# Altium PCB nPOC-BB_alpha_main-boardd.PcbDoc (part 3 of 3)
Units mm, origin at the board's own origin, x right, y up, seen from the top; angles counter-clockwise.
Board outline 65.15 x 78.1 mm, 4 copper layers (Top Layer, Layer 2, Layer 3, Bottom Layer), stack 1.527 mm thick; 195 components, 126 nets, 767 pads, 537 vias.
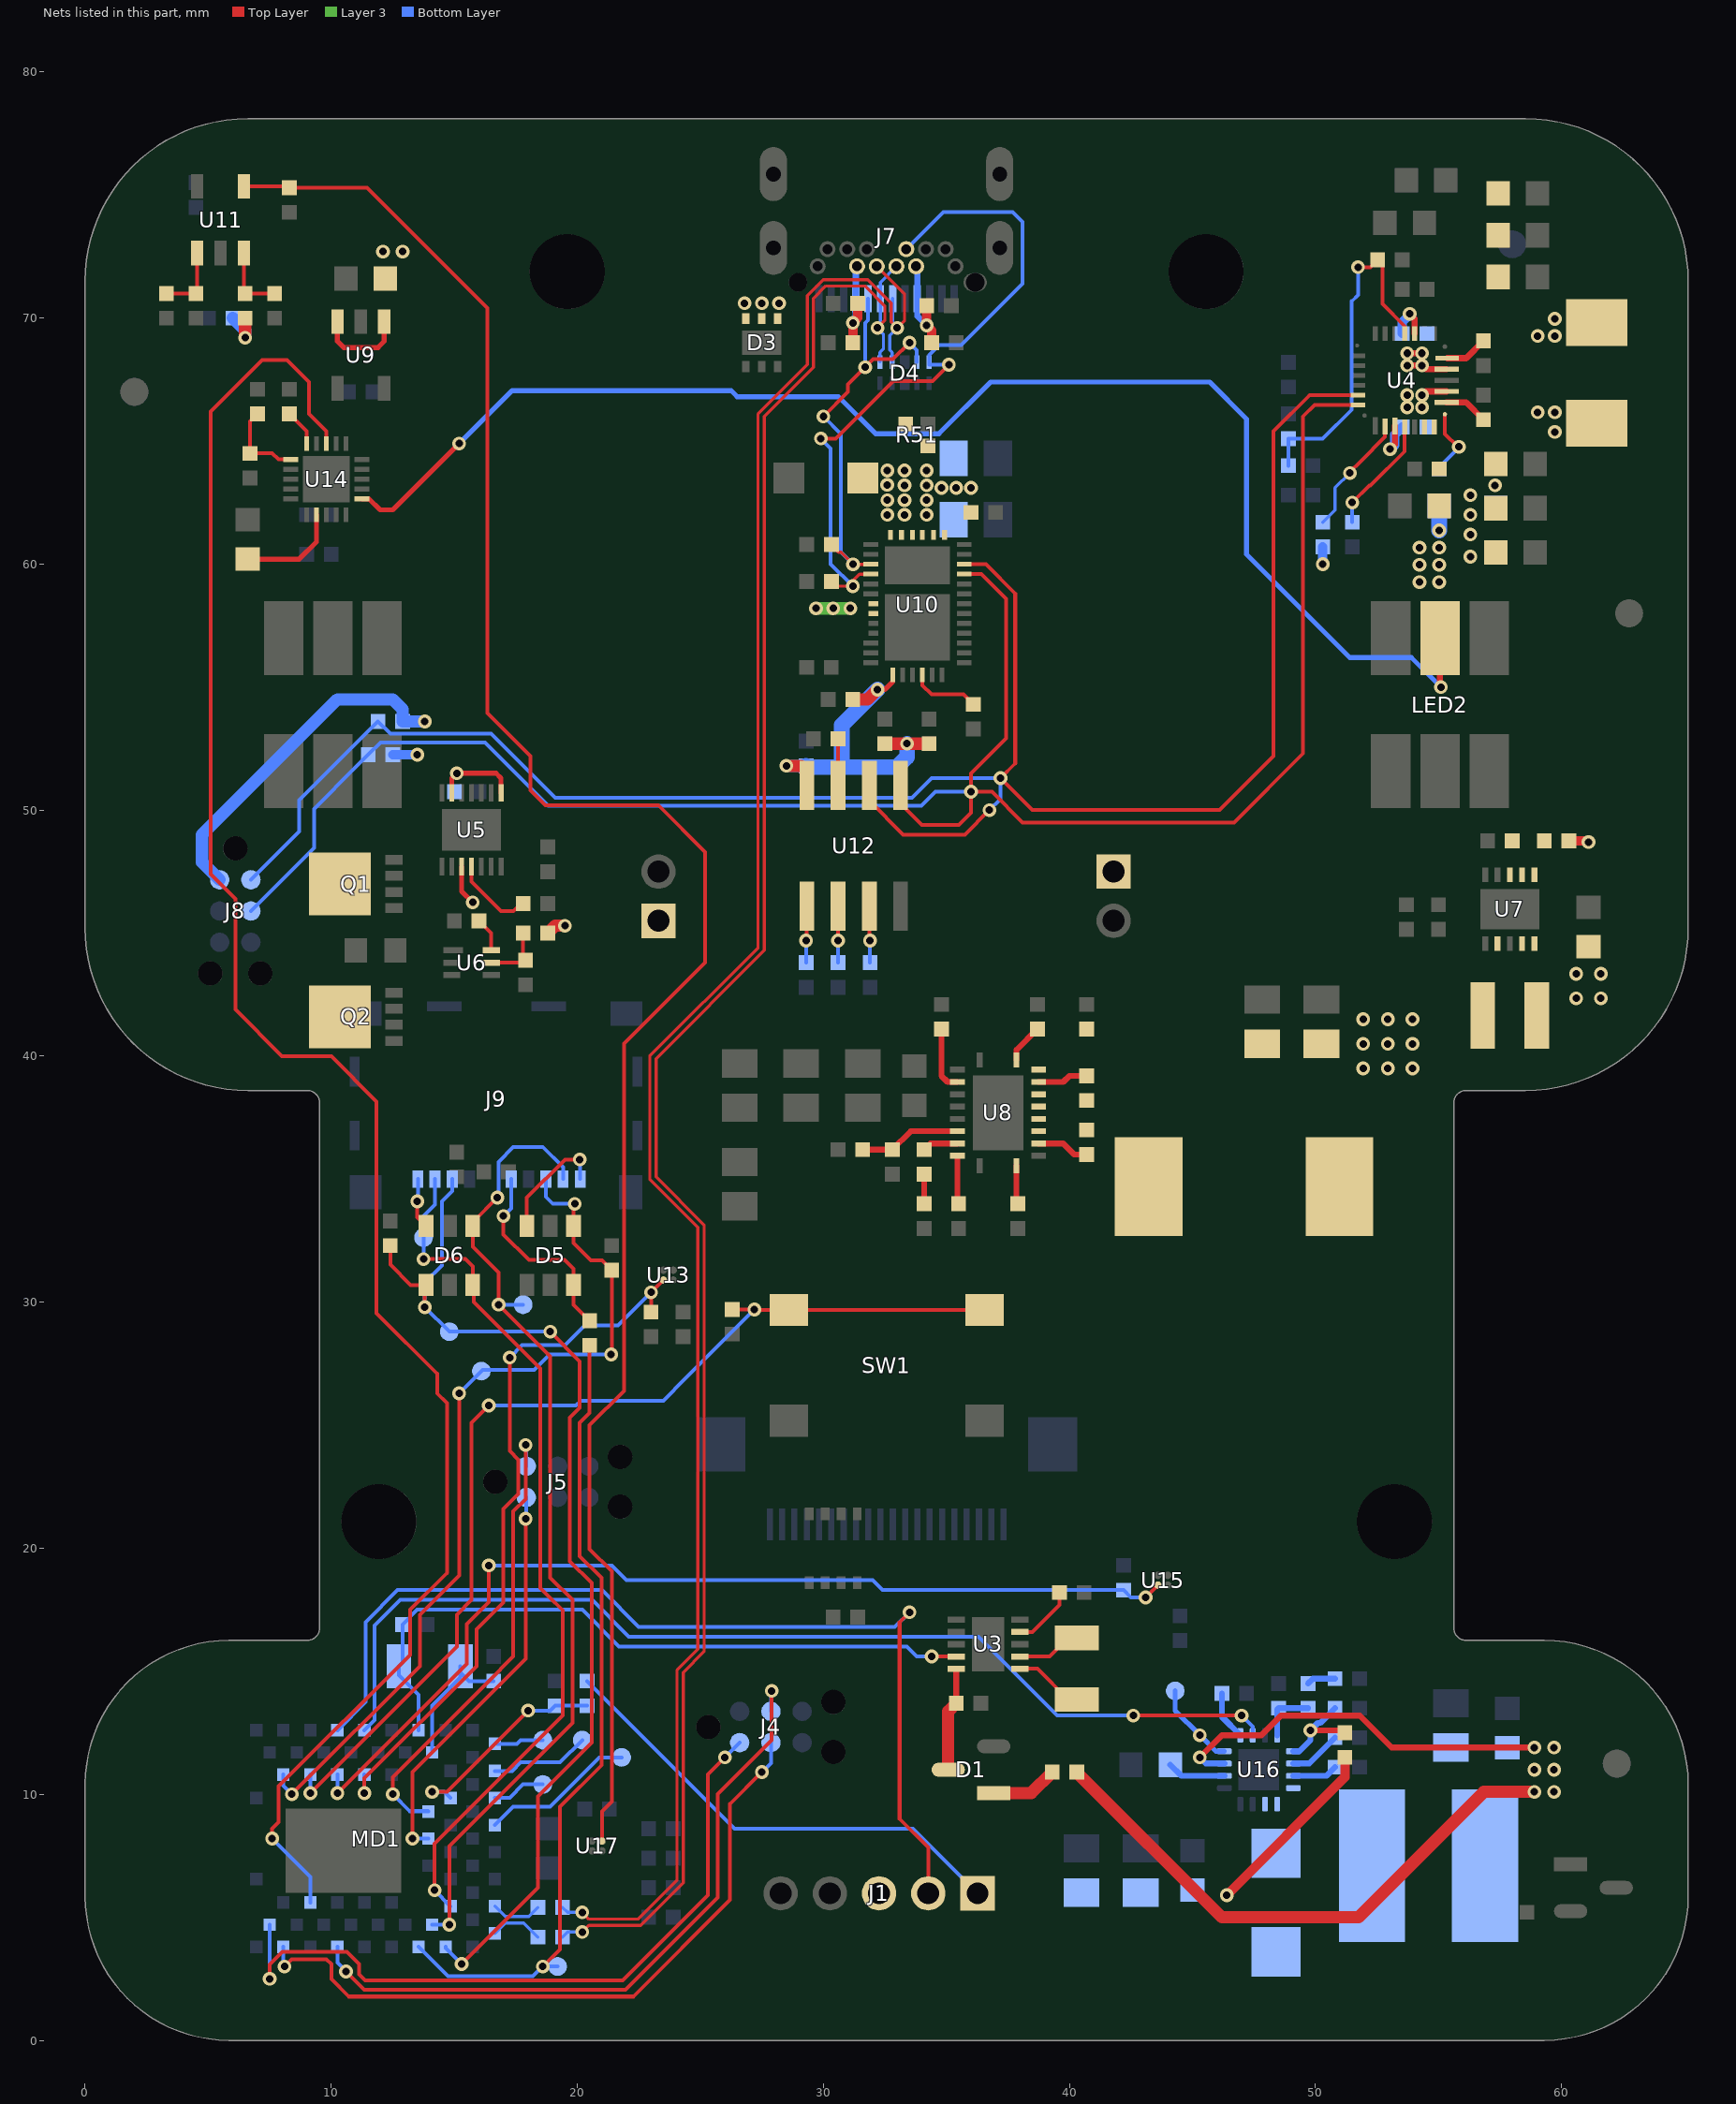
[diagram p5: the nets of this part, all layers, seen from the top]

## Via types
v1: diameter 0.559, hole 0.305, Top Layer to Bottom Layer, tented both sides, 537 vias

## Nets (pads, with @x,y where several pads share a name; then routed paths per layer and width w, separated by ;. In a path a pad name is that pad's centre, name@x,y a point inside that pad or via, vN(x,y) a via of type N, cw(c..) or ccw(c..) an arc to the next point about the centre after c; other vN are vias at no path point) (continued)
LED2_R: LED2.2 U14.6 | length 58
  Top Layer w0.2: U14.6@11.25,62.65 11.534,62.65 11.984,62.2 12.5,62.2 v1(15.2,64.9)
  Top Layer w0.25: LED2.2@55.06,56.985 55.06,55.04 v1(55.1,55)
  Bottom Layer w0.2: v1(15.2,64.9) 17.35,67.05 26.25,67.05 26.5,66.8 30.616,66.8 32.116,65.3 34.7,65.3 36.8,67.4 45.7,67.4 47.2,65.9 47.2,60.4 51.4,56.2 53.9,56.2 v1(55.1,55)
LED_DRV_EN: MD1.59 U14.13 | length 77.3
  Top Layer w0.152: v1(7.6,8.2) 7.6,8.6 7.862,8.862 7.862,10.329 13.2,15.667 13.2,17.5 14.7,19 14.7,25.9 14.3,26.3 14.3,27.1 11.843,29.557 11.843,38.157 10,40 8,40 6.1,41.9 6.1,46.4 5.1,47.4 5.1,66.2 7.2,68.3 8.2,68.3 9.1,67.4 9.1,66.164 ; 9.1,66.1 9.8,65.4 U14.13@9.8,64.9
  Bottom Layer w0.152: v1(7.6,8.2) 9.15,6.65 MD1.59@9.15,5.6
MOTOR_FG: J1.1 R2.2 | length 19.4
  Bottom Layer w0.152: R2.2@20.4,14.6 26.4,8.6 33.641,8.6 J1.1@36.266,5.975
MOTOR_FG_DIV: MD1.20 R2.1 R31.2 | length 8.6
  Top Layer w0.152: v1(14.1,10.1) 14.7,10.1 v1(18,13.4)
  Bottom Layer w0.152: v1(14.1,10.1) 14.6,10.1 MD1.20@14.85,9.85 ; v1(18,13.4) 18.9,13.4 R31.2@19.1,13.6 R2.1@20.4,13.6
MOTOR_POWER_EN: MD1.9 U16.6 | length 43
  Top Layer w0.152: v1(42.6,13.2) v1(47,13.2)
  Bottom Layer w0.152: MD1.9@11.35,12.6 11.763,13.013 11.763,16.863 12.8,17.9 20.6,17.9 22.1,16.4 35,16.4 36.3,16.4 37.083,15.617 39.5,13.2 v1(42.6,13.2) ; v1(47,13.2) 47.45,12.75 U16.6@47.45,12.4
MOTOR_PWM: J1.2 MD1.7 | length 40.5
  Top Layer w0.152: v1(33.5,17.4) 33.1,17 33.1,9 34.266,7.834 J1.2@34.266,5.975
  Bottom Layer w0.152: MD1.7@10.25,12.6 11.4,13.75 11.4,17 12.7,18.3 21,18.3 22.5,16.8 32.9,16.8 v1(33.5,17.4)
NetC5_1: C5.1 L1.1 U4.28 | length 2.8
  Top Layer w0.25: v1(53.731,68.069) v1(54.331,68.069) ; v1(53.731,68.569) v1(54.331,68.569) v1(54.331,68.069) ; U4.28@55.331,67.919 54.481,67.919 v1(54.331,68.069)
  other v1: 59.031,69.269 59.731,69.269 59.731,69.969
NetC5_2: C5.2 U4.4 | length 1.8
  Top Layer w0.25: v1(53.831,70.169) 54.031,69.969 U4.4@54.031,69.369
  Bottom Layer w0.381: C5.2@53.531,69.369 53.531,69.829 v1@53.837,70.135
NetC11_1: C11.1 L1.2 U4.26 | length 1.1
  Top Layer w0.25: v1(54.331,66.869) 54.481,67.019 U4.26@55.331,67.019
  other v1: 59.731,65.369 59.031,66.169 59.731,66.169 53.731,66.369 54.331,66.369 53.731,66.869
NetC11_2: C11.2 U4.19 | length 2.2
  Top Layer w0.25: v1(53.031,64.669) 53.231,64.869 U4.19@53.231,65.609
  Bottom Layer w0.381: v1@53.037,64.635 53.231,64.829 53.231,65.269 C11.2@53.531,65.569
NetC28_2: C28.2 U5.11 | length 3.3
  Top Layer w0.152: U5.11@15.7,47.704 15.7,47.1 16.9,45.9 17.401,45.9 17.701,46.2 C28.2@17.8,46.2
NetC29_2: C29.2 R15.1 U6.5 | length 2.6
  Top Layer w0.152: U6.5@16.5,43.8 17.8,43.8 C29.2@17.9,43.9 17.8,44 R15.1@17.8,45
NetC30_1: C30.1 U8.8 | length 2.1
  Top Layer w0.24: U8.8@38.75,38.95 39.75,38.95 40,39.2 C30.1@40.7,39.2
NetC30_2: C30.2 L3.2 R26.1 U8.4 U8.5 U8.6 U8.7
NetC41_2: C41.2 R24.1 U7.6 U7.7 U7.8
NetC42_2: C42.2 U8.1 | length 1.6
  Top Layer w0.24: U8.1@37.85,35.55 37.85,34.05 C42.2@37.9,34
NetC44_1: C44.1 R28.2 | length 1.2
  Top Layer w0.24: C44.1@34.1,34 R28.2@34.1,35.2
NetC45_1: C45.1 U8.10 | length 1.6
  Top Layer w0.24: U8.10@37.85,39.85 37.85,40.25 C45.1@38.7,41.1
NetC67_1: C67.1 U14.2 | length 4.2
  Top Layer w0.2: C67.1@6.6,60.2 8.7,60.2 9.4,60.9 U14.2@9.4,62
NetC73_2: C73.2 U16.2 | length 2.4
  Bottom Layer w0.24: C73.2@44.1,11.2 44.55,10.75 U16.2@46.3,10.75
NetC75_2: C75.2 U16.10 | length 2.1
  Bottom Layer w0.24: U16.10@49.1,11.25 49.75,11.25 C75.2@50.8,12.3
NetC76_2: C76.2 C77.2 U16.8 | length 2.3
  Bottom Layer w0.24: U16.8@48.45,12.4 48.45,13.45 C76.2@48.5,13.5 C77.2@49.7,13.5
NetC77_1: C77.1 R60.2 | length 1.2
  Bottom Layer w0.24: C77.1@49.7,14.5 49.9,14.7 R60.2@50.8,14.7
NetD1_1: D1.1 R11.2 | length 2.7
  Top Layer w0.5: D1.1@36.925,10.05 38.45,10.05 R11.2@39.3,10.9
NetD7_A: D7.A L4.2 U16.12 U16.13 U16.14
NetL2_1: L2.1 U7.4
NetL2_2: L2.2 U7.2
NetQ1_5: Q1.5 Q1.6 Q1.7 Q1.8 Q2.5 Q2.6 Q2.7 Q2.8
NetR1_2: R1.2 U16.11 | length 1.8
  Bottom Layer w0.24: U16.11@49.1,10.75 50.45,10.75 R1.2@50.8,11.1
NetR14_2: R14.2 U4.18 | length 4.9
  Top Layer w0.152: v1(51.4,63.7) 51.4,63.738 51.831,64.169 52.831,65.169 U4.18@52.831,65.594
  Bottom Layer w0.127: R14.2@50.3,61.7 50.8,62.2 50.8,63.1 v1(51.4,63.7)
NetR18_1: R18.1 U6.6 | length 1.4
  Top Layer w0.152: R18.1@16,45.5 16.5,45 U6.6@16.5,44.3
NetR25_1: R25.1 R27.2 U8.17 | length 4.2
  Top Layer w0.24: R25.1@31.6,36.2 R27.2@32.8,36.2 33.55,36.95 U8.17@35.45,36.95
NetR26_2: R26.2 U8.3 | length 2.1
  Top Layer w0.24: U8.3@38.75,36.45 39.75,36.45 40.2,36 R26.2@40.7,36
NetR28_1: R28.1 U8.18 | length 1.5
  Top Layer w0.24: R28.1@34.1,36.2 34.35,36.45 U8.18@35.45,36.45
NetR29_1: R29.1 U8.19 | length 2
  Top Layer w0.24: U8.19@35.45,35.95 35.45,34.05 R29.1@35.5,34
NetR30_2: R30.2 U8.13 | length 2.7
  Top Layer w0.24: R30.2@34.8,41.1 34.8,39.2 35.05,38.95 U8.13@35.45,38.95
NetR32_1: R32.1 R61.2 U16.9 | length 4.1
  Top Layer w0.24: v1(49.8,12.6) 51.1,12.6 R32.1@51.2,12.5
  Bottom Layer w0.24: U16.9@49.1,11.75 49.35,11.75 49.8,12.2 v1(49.8,12.6) 50.1,12.9 50.2,12.9 R61.2@50.8,13.5
NetR34_2: R34.2 U16.5 | length 2
  Bottom Layer w0.24: R34.2@46.2,14.1 46.2,13.15 U16.5@46.95,12.4
NetR38_1: R38.1 R47.2 U11.3 | length 2.9
  Top Layer w0.152: U11.3@6.45,72.647 6.45,71.05 R38.1@6.5,71 R47.2@7.7,71
NetR39_1: R39.1 R48.2 U11.1 | length 2.9
  Top Layer w0.152: R39.1@3.3,71 R48.2@4.5,71 4.55,71.05 U11.1@4.55,72.647
NetR43_2: R43.2 U12.7 | length 1.9
  Top Layer w0.152: U12.7@30.6,51 R43.2@30.6,52.9
NetR44_2: R44.2 U12.1 | length 2.3
  Top Layer w0.152: v1(29.3,44.7) 29.33,44.73 U12.1@29.33,46.1
  Bottom Layer w0.152: R44.2@29.3,43.8 v1(29.3,44.7)
NetR45_2: R45.2 U12.2 | length 2.3
  Top Layer w0.152: v1(30.6,44.7) U12.2@30.6,46.1
  Bottom Layer w0.152: R45.2@30.6,43.8 v1(30.6,44.7)
NetR46_2: R46.2 U12.3 | length 2.3
  Top Layer w0.152: U12.3@31.87,46.1 31.87,44.73 v1(31.9,44.7)
  Bottom Layer w0.152: R46.2@31.9,43.8 v1(31.9,44.7)
NetR55_1: R55.1 R57.2 U14.16 | length 3.5
  Top Layer w0.152: R57.2@7,66.1 6.7,65.8 R55.1@6.7,64.5 7.6,64.5 7.85,64.25 U14.16@8.35,64.25
NetR58_1: R58.1 U14.15 | length 1.5
  Top Layer w0.152: R58.1@8.3,66.1 9,65.4 U14.15@9,64.9
NetTP11_1: TP11.1 U16.4 | length 3.5
  Bottom Layer w0.2: TP11.1@44.3,14.2 44.3,13.4 v1(45.3,12.4) 45.95,11.75 U16.4@46.3,11.75
nRF_RESET_N: J4.3 MD1.39 | length 28.3
  Top Layer w0.152: v1(10.6,2.8) 11.021,2.379 11.341,2.059 21.959,2.059 25.7,5.8 25.7,10 27.9,12.2 v1(27.9,14.2)
  Bottom Layer w0.152: MD1.39@10.25,3.8 10.25,3.15 v1(10.6,2.8) ; J4.3@27.87,13.37 27.87,14.17 v1(27.9,14.2)
OSCI: U3.1 Y2.1 | length 2.8
  Top Layer w0.152: U3.1@37.991,15.1 38.7,15.1 39.95,13.85 Y2.1@40.3,13.85
OSCO: U3.2 Y2.2 | length 2.6
  Top Layer w0.152: U3.2@37.991,15.6 39.2,15.6 39.95,16.35 Y2.2@40.3,16.35
P1.10: J5.1 MD1.53 | length 19.1
  Top Layer w0.152: v1(12.5,10) 12.5,10.7 16.362,14.562 17.4,15.6 17.4,21.5 17.9,22 v1(17.9,24.2)
  Bottom Layer w0.152: v1(12.5,10) 13.186,9.314 13.936,9.314 MD1.53@13.95,9.3 ; v1(17.9,24.2) 17.93,24.17 J5.1@17.93,23.335
P1.11: J5.2 MD1.54 | length 16.4
  Top Layer w0.152: v1(13.3,8.2) 13.3,10.9 16.117,13.717 17.9,15.5 17.9,18.7 v1(17.9,21.2)
  Bottom Layer w0.152: v1(13.3,8.2) MD1.54@13.95,8.2 ; v1(17.9,21.2) 17.93,21.23 J5.2@17.93,22.065
P1.12: MD1.61 TP1.1 | length 2
  Bottom Layer w0.152: MD1.61@16.65,12.05 17.55,12.05 17.7,12.2 TP1.1@18.6,12.2
P1.13: MD1.62 TP2.1 | length 4.1
  Bottom Layer w0.152: MD1.62@16.65,10.95 17.35,10.95 17.7,11.3 18.6,11.3 19.3,11.3 TP2.1@20.2,12.2
P1.14: MD1.63 TP3.1 | length 2.2
  Bottom Layer w0.152: MD1.63@16.65,9.85 17.25,9.85 17.8,10.4 TP3.1@18.6,10.4
P1.15: MD1.64 TP4.1 | length 6.3
  Bottom Layer w0.152: MD1.64@16.65,8.75 17.4,9.5 18.9,9.5 20.9,11.5 TP4.1@21.8,11.5
PD_LDO_1V5: C54.2 U10.4 | length 2.8
  Top Layer w0.152: U10.4@34.026,55.493 34.026,55.074 34.4,54.7 35.7,54.7 C54.2@36.1,54.3
PD_LDO_3V3: C53.2 C61.2 J8.2 R35.2 R36.2 R41.2 R42.2 U10.1 U12.8 | length 30
  Top Layer w0.2: v1(32.2,54.9) 32.5,54.9 32.826,55.226 U10.1@32.826,55.493
  Top Layer w0.5: v1(28.5,51.8) 29.1,51.8 29.3,51.6 29.3,51.03 U12.8@29.33,51 ; C53.2@31.2,54.5 31.8,54.5 v1(32.2,54.9) ; R41.2@32.5,52.7 v1(33.4,52.7) R42.2@34.3,52.7
  Bottom Layer w0.381: R35.2@12.5,52.25 v1(13.5,52.25)
  Bottom Layer w0.5: J8.2@5.465,47.17 4.75,47.885 4.75,49 10.25,54.5 12.5,54.5 12.9,54.1 R36.2@12.9,53.6 v1(13.8,53.6) ; v1(28.5,51.8) C61.2@29.3,51.8
  Bottom Layer w0.635: C61.2@29.3,51.8 29.35,51.75 30.75,51.75 ; v1(32.2,54.9) 30.75,53.45 30.75,51.75 ; v1(33.4,52.7) 33.4,52.15 33,51.75 30.75,51.75
PD_SCL: J8.1 R36.1 U4.14 U10.17 U12.6 | length 83.6
  Top Layer w0.152: U12.6@31.87,51 31.87,50.38 33.25,49 35.75,49 v1(36.75,50) ; U10.17@35.726,59.993 36.607,59.993 37.8,58.8 37.8,51.9 v1(37.2,51.3) 38.5,50 46.1,50 48.3,52.2 48.3,65.4 49.769,66.869 U4.14@51.731,66.869
  Bottom Layer w0.152: J8.1@6.735,47.17 8.7,49.135 8.7,50.4 R36.1@11.9,53.6 12.4,53.1 16.5,53.1 19.1,50.5 33.6,50.5 34.4,51.3 v1(37.2,51.3) 37.2,50.45 v1(36.75,50)
PD_SDA: J8.3 R35.1 U4.15 U10.16 U12.5 | length 81.2
  Top Layer w0.152: U12.5@33.14,51 33.14,50.26 34,49.4 35.5,49.4 36,49.9 v1(36,50.75) ; U10.16@35.726,59.593 36.413,59.593 37.424,58.582 37.424,52.924 36,51.5 v1(36,50.75) ; U4.15@51.731,66.469 49.969,66.469 49.5,66 49.5,52.3 46.7,49.5 38.1,49.5 36.85,50.75 v1(36,50.75)
  Bottom Layer w0.152: J8.3@6.735,45.9 9.3,48.465 9.3,50.05 11,51.75 R35.1@11.5,52.25 12,52.75 16.25,52.75 18.816,50.184 33.984,50.184 34.55,50.75 v1(36,50.75)
PMID: C12.2 C13.2 C14.2 C15.2 U4.29 | length 1.8
  Top Layer w0.25: U4.29@55.356,68.369 56.131,68.369 C15.2@56.831,69.069
PPHV: C57.2 C58.2 C59.2 R51.1 U10.20 U10.21 U10.22
  other v1: 34.2,62 34.2,62.6 34.8,63.1 35.4,63.1 36,63.1 34.2,63.2 34.2,63.8
PROG: R22.2 U4.20 | length 4.8
  Top Layer w0.152: v1(51.5,62.5) 52.186,63.186 52.231,63.186 53.631,64.586 U4.20@53.631,65.569
  Bottom Layer w0.152: R22.2@51.5,61.7 v1(51.5,62.5)
PWR_SWITCH: MD1.49 R3.1 SW1.1 SW1.2 | length 42.2
  Top Layer w0.152: v1(9.15,10.05) 15.1,16 15.1,17.3 15.7,17.9 15.7,25.1 v1(16.4,25.8) ; R3.1@26.3,29.7 v1(27.2,29.7) 27.218,29.682 SW1.1@28.6,29.682 SW1.2@36.55,29.682
  Bottom Layer w0.152: v1(9.15,10.05) MD1.49@9.15,10.8 ; v1(16.4,25.8) 19.95,25.8 20.15,26 23.5,26 24.4,26.9 v1(27.2,29.7)
REGN: C23.2 R16.2 R17.2 U4.5 | length 14.4
  Top Layer w0.152: v1(51.731,72.069) 52.231,72.069 C23.2@52.531,72.369 52.731,72.169 52.731,70.569 53.631,69.669 U4.5@53.631,69.369
  Bottom Layer w0.152: R16.2@48.9,64 R17.2@48.9,65.1 50.3,65.1 51.481,66.281 51.481,70.681 51.731,70.931 v1(51.731,72.069)
RTC_32768kHz: C2.2 MD1.13 U3.9 Y1.1 | length 28.2
  Top Layer w0.152: v1(34.4,15.6) U3.9@35.4,15.6
  Bottom Layer w0.152: MD1.13@13.55,12.6 13.55,14.05 12.75,14.85 Y1.1@12.75,15.2 12.9,15.35 C2.2@12.9,16.9 13.5,17.5 20.2,17.5 21.7,16 33.4,16 33.8,15.6 v1(34.4,15.6)
RTC_INT: R12.1 U3.4 | length 2.6
  Top Layer w0.152: U3.4@37.991,16.6 38.5,16.6 39.6,17.7 R12.1@39.6,18.2
RTC_VDD: C4.1 D1.3 U3.10 | length 4.2
  Top Layer w0.25: C4.1@35.4,13.7 U3.10@35.4,15.1
  Top Layer w0.5: D1.3@35.075,11 35.075,13.375 C4.1@35.4,13.7
SD2_CD_B: D5.4 J9.CD MD1.48 R54.2 TP10.1 | length 36
  Top Layer w0.152: v1(8.4,10) 13.6,15.2 13.6,17.3 15.2,18.9 v1(15.2,26.3) ; v1(19.9,34) 19.85,33.95 D5.4@19.85,33.1 19.85,32.4 20.55,31.7 21,31.7 R54.2@21.4,31.3 21.4,27.9 v1(21.375,27.875)
  Bottom Layer w0.152: MD1.48@8.05,10.8 8.05,10.35 v1(8.4,10) ; v1(15.2,26.3) 16.15,27.25 18.25,27.25 18.471,27.471 18.875,27.875 v1(21.375,27.875) ; J9.CD@18.72,35.01 18.72,34.28 19,34 v1(19.9,34)
SD2_CLK: MD1.33 R56.1 TP9.1 | length 33
  Top Layer w0.152: v1(18.6,3) 19.3,3.7 19.3,9.5 20.979,11.179 20.979,18.8 20.1,19.679 20.1,25.1 20.5,25.5 R56.1@20.5,28.2
  Bottom Layer w0.152: MD1.33@13.55,3.8 14.75,2.6 18.2,2.6 v1(18.6,3) TP9.1@19.2,3
SD2_CLK_R: D5.3 J9.P5 R56.2 | length 8.2
  Top Layer w0.152: v1(17,33.5) 17,32.75 18.033,31.717 19.483,31.717 19.85,31.35 D5.3@19.85,30.7 19.85,29.9 R56.2@20.5,29.25
  Bottom Layer w0.152: v1(17,33.5) 17.32,33.82 J9.P5@17.32,35.01
SD2_CMD: D6.1 J9.P3 MD1.31 R53.2 TP8.1 | length 44.5
  Top Layer w0.152: R53.2@12.4,32.3 12.4,31.525 13.225,30.7 D6.1@13.85,30.7 ; v1(13.8,29.8) D6.1@13.8,30.65 ; v1(15.3,3.1) 18.4,6.2 18.4,9.911 20.584,12.095 20.584,18.59 19.7,19.475 19.7,25.3 20.1,25.7 20.1,27.6 v1(18.9,28.8)
  Bottom Layer w0.152: MD1.31@14.65,3.8 14.65,3.75 v1(15.3,3.1) ; J9.P3@14.92,35.01 14.92,34.52 14.5,34.1 14.5,31.5 13.8,30.8 v1(13.8,29.8) TP8.1@14.8,28.8 v1(18.9,28.8)
SD2_D0: D6.4 J9.P7 MD1.32 TP6.1 | length 40.6
  Top Layer w0.152: v1(14.8,4.7) 14.8,7.9 19.8,12.9 19.8,17.9 18.9,18.8 18.9,27.8 v1(16.8,29.9) 16.8,31.2 15.75,32.25 D6.4@15.75,33.1 15.771,33.121 15.771,33.271 v1(16.75,34.25)
  Bottom Layer w0.152: MD1.32@14.1,4.7 v1(14.8,4.7) ; v1(16.75,34.25) 16.8,34.3 16.8,35.7 17.4,36.3 18.6,36.3 19.42,35.48 J9.P7@19.42,35.01 ; v1(16.8,29.9) TP6.1@17.8,29.9
SD2_D1: D5.6 J9.P8 | length 4.7
  Top Layer w0.152: D5.6@17.95,33.1 17.95,34.25 19.5,35.8 v1(20.1,35.8)
  Bottom Layer w0.152: v1(20.1,35.8) 20.12,35.78 J9.P8@20.12,35.01
SD2_D2: D6.6 J9.P1 | length 2.1
  Top Layer w0.152: v1(13.5,34.1) 13.5,33.45 D6.6@13.85,33.1
  Bottom Layer w0.152: v1(13.5,34.1) 13.52,34.12 J9.P1@13.52,35.01
SD2_D3: D6.3 J9.P2 MD1.28 TP7.1 | length 35.5
  Top Layer w0.152: v1(13.75,31.75) 15.45,31.75 15.75,31.45 D6.3@15.75,30.7 15.8,30.65 15.8,30 18.5,27.3 18.5,18.378 18.841,18.036 19.4,17.478 19.4,13.2 14.2,8 v1(14.2,6.1)
  Bottom Layer w0.152: v1(13.75,31.75) 13.75,33.5 14.22,33.97 J9.P2@14.22,35.01 ; v1(14.2,6.1) MD1.28@14.85,5.45
SD2_RESET_B: MD1.51 R52.2 U13.B2 | length 29.5
  Top Layer w0.152: v1(11.35,10.05) 11.35,10.65 15.9,15.2 15.9,16.7 17,17.8 17,21.6 17.6,22.2 17.6,23.6 17.25,23.95 v1(17.25,27.75) ; R52.2@23,29.6 v1(23,30.4) U13.B2@23.5,30.9
  Bottom Layer w0.152: v1(11.35,10.05) MD1.51@11.35,10.8 ; v1(17.25,27.75) 17.75,28.25 19.5,28.25 20.3,29.05 21.65,29.05 v1(23,30.4)
SDRV: C27.2 U4.24 | length 2.8
  Top Layer w0.152: U4.24@55.262,66.088 55.262,65.293 55.787,64.769 v1(55.831,64.769)
  Bottom Layer w0.152: C27.2@55.031,63.869 55.031,63.929 v1@55.837,64.735
SENSOR_PWR_EN: MD1.50 R59.1 U15.B2 | length 40.4
  Top Layer w0.152: v1(10.25,10.05) 15.5,15.3 15.5,16.915 16.405,17.819 16.405,19.295 v1(16.4,19.3) ; v1@43.15,18.05 U15.B2@43.6,18.5
  Bottom Layer w0.152: v1(10.25,10.05) MD1.50@10.25,10.8 ; v1(16.4,19.3) 21.4,19.3 22,18.7 32,18.7 32.4,18.3 R59.1@42.2,18.3 42.5,18 v1(43.1,18)
SWCLK: J4.4 MD1.43 | length 28.7
  Top Layer w0.152: v1(8.1,3) 8.4,3.3 9.8,3.3 10,3.1 10,2.495 10.716,1.779 22.279,1.779 26.2,5.7 26.2,9.6 v1(27.5,10.9)
  Bottom Layer w0.152: MD1.43@8.05,3.8 8.05,3.05 v1(8.1,3) ; v1(27.5,10.9) 27.87,11.27 J4.4@27.87,12.1
SWDIO: J4.2 MD1.44 | length 29.7
  Top Layer w0.152: v1(7.5,2.5) 7.5,3.082 8.018,3.6 10.327,3.6 10.631,3.6 11.138,3.093 11.138,2.684 11.384,2.438 15.116,2.438 18.084,2.438 21.838,2.438 25.3,5.9 25.3,10.8 v1(26,11.5)
  Bottom Layer w0.152: v1(7.5,2.5) MD1.44@7.5,4.7 ; v1(26,11.5) J4.2@26.6,12.1
USB1_CC1: C56.2 D4.4 J7.A5 U10.28 | length 17.1
  Top Layer w0.127: C56.2@30.3,60.8 30.616,60.484 30.716,60.484 v1(31.207,59.993) U10.28@31.926,59.993
  Top Layer w0.152: v1(30,66) 31,67 31,67.3 v1(31.7,68) 32.026,68.326 32.826,68.326 v1(33.5,69)
  Bottom Layer w0.152: v1(30,66) 30.717,65.283 30.717,63.878 30.717,60.483 v1(31.207,59.993) ; v1(31.7,68) 31.7,69.8 31.82,69.92 J7.A5@31.82,70.79 ; v1(33.5,69) 33.8,68.7 D4.4@33.8,68.225
USB1_CC2: C55.2 D4.5 J7.B5 U10.29 | length 29.2
  Top Layer w0.127: C55.2@30.326,59.293 30.519,59.1 v1(31.2,59.1) 31.2,59.321 31.472,59.593 U10.29@31.926,59.593
  Top Layer w0.152: v1(29.9,65.1) 30.5,65.1 32.836,67.436 34.436,67.436 v1(35.1,68.1)
  Bottom Layer w0.152: v1(29.9,65.1) 30.3,64.7 30.3,60 v1(31.2,59.1) ; J7.B5@33.37,72.8 34.87,74.3 37.7,74.3 38.1,73.9 38.1,71.4 35.6,68.9 34.7,68.9 34.3,68.5 D4.5@34.3,68.2 34.3,68.1 v1(35.1,68.1)
USB1_D_N: D4.2 J7.A7 J7.B7 R10.1 | length 84.8
  Top Layer w0.127: v1(20.2,5.2) 20.473,4.927 22.468,4.927 24.052,6.511 24.052,15.052 24.9,15.9 24.9,33.041 22.946,34.995 22.946,40.005 27.346,44.405 27.346,66.105 29.346,68.105 29.346,70.905 29.995,71.554 31.805,71.554 32.754,70.605 32.754,69.846 v1(33,69.6) 33.3,69.9 33.3,70.97 J7.B7@32.17,72.1
  Bottom Layer w0.127: R10.1@19.4,5.4 19.6,5.2 v1(20.2,5.2) ; D4.2@32.8,68.225 32.8,68.6 32.697,68.703 32.697,69.297 v1(33,69.6) 32.82,69.78 J7.A7@32.82,70.79
USB1_D_P: D4.1 J7.A6 J7.B6 R9.1 | length 82.8
  Top Layer w0.127: v1(20.2,4.4) 20.473,4.673 22.573,4.673 24.306,6.406 24.306,14.947 25.154,15.795 25.154,33.146 23.2,35.1 23.2,39.9 27.6,44.3 27.6,66 29.6,68 29.6,70.8 30.1,71.3 31.7,71.3 32.5,70.5 32.5,69.9 v1(32.2,69.6)
  Bottom Layer w0.127: R9.1@19.4,4.2 19.6,4.4 v1(20.2,4.4) ; D4.1@32.3,68.225 32.3,68.6 32.443,68.743 32.443,69.357 v1(32.2,69.6) 32.32,69.72 J7.A6@32.32,70.79 32.32,71.45 J7.B6@32.97,72.1
USB1_VBUS_DETECT: R37.1 U11.4 U17.B2 | length 83.1
  Top Layer w0.152: U11.4@6.45,75.353 8.247,75.353 R37.1@8.3,75.3 11.45,75.3 16.35,70.4 16.35,53.95 18.1,52.2 18.1,50.8 18.7,50.2 23.3,50.2 25.2,48.3 25.2,43.8 21.903,40.503 21.903,36.476 21.9,36.473 21.9,26.4 20.5,25 20.5,19.959 21.4,19.059 21.4,9.7 21,9.3 U17.B2@21,8.1
USB2_D_N: MD1.67 R10.2 | length 2.1
  Bottom Layer w0.127: MD1.67@16.65,5.45 17.073,5.027 18.027,5.027 R10.2@18.4,5.4
USB2_D_P: MD1.68 R9.2 | length 2.2
  Bottom Layer w0.127: MD1.68@16.65,4.35 17.073,4.773 17.827,4.773 R9.2@18.4,4.2
VBAT: C22.1 C24.2 C25.2 C26.2 C31.2 C34.2 C35.2 C43.2 C69.2 C74.2 J3.1 J6.1 L3.1 L4.1 R11.1 R14.1 R15.2 R24.2 U4.22 U4.23 U5.1 U5.6 U5.10 U7.5 U8.9 U16.3 | length 47.5
  Top Layer w0.2: U5.6@14.9,50.696 14.9,51.3 v1(15.1,51.5) 16.7,51.5 16.9,51.3 U5.1@16.9,50.696 ; U5.10@15.3,47.704 15.3,46.7 v1(15.75,46.25)
  Top Layer w0.24: v1(45.3,11.5) 46.2,12.4 47.8,12.4 48.6,13.2 51.8,13.2 53.1,11.9 v1(58.9,11.9)
  Top Layer w0.381: R24.2@60.3,48.75 61.05,48.75 v1(61.1,48.7)
  Top Layer w0.5: R15.2@18.8,45 19.1,45.3 v1(19.5,45.3) ; R11.1@40.3,10.9 46.2,5 51.75,5 56.85,10.1 v1(58.9,10.1)
  Bottom Layer w0.24: v1(45.3,11.5) 45.55,11.25 U16.3@46.3,11.25
  Bottom Layer w0.381: v1(50.3,60) R14.1@50.3,60.7
  Bottom Layer w0.635: v1(55.031,61.369) C25.2@55.031,62.369
  other v1: 59.7,10.1 58.9,11 59.7,11 59.7,11.9 51.944,39.5 52.944,39.5 53.944,39.5 51.944,40.5 52.944,40.5 53.944,40.5 51.944,41.5 52.944,41.5 53.944,41.5 60.6,42.35 61.6,42.35 60.6,43.35 61.6,43.35 54.231,59.269 55.031,59.269 54.231,59.969 55.031,59.969 54.231,60.669 55.031,60.669
VBUS1: C46.2 C49.2 C50.2 C51.2 C52.2 D2.K D3.4 D3.5 D3.6 J7.A4 J7.A9 J7.B4 J7.B9 R38.2 R40.2 R51.3 U9.1 U9.3 U10.23 U10.24 U10.25 U10.32 U10.33 | length 15.1
  Top Layer w0.2: U9.3@10.25,69.853 10.25,69.05 10.5,68.8 11.9,68.8 12.15,69.05 U9.1@12.15,69.853
  Top Layer w0.381: C49.2@31.2,69 v1(31.2,69.8) 31.4,70 C52.2@31.4,70.6 ; C51.2@34.2,70.5 v1(34.2,69.7) 34.4,69.5 C50.2@34.4,69
  Top Layer w0.5: v1(6.5,69.2) R38.2@6.5,70
  Layer 3 w0.5: v1(29.7,58.2) v1(30.4,58.2) v1(31.1,58.2)
  Bottom Layer w0.25: v1(31.2,69.8) 31.32,69.92 J7.A4@31.32,70.79 31.32,72.05 J7.B9@31.37,72.1 ; J7.B4@33.77,72.1 33.82,72.05 J7.A9@33.82,70.79 33.82,70.08 v1(34.2,69.7)
  Bottom Layer w0.5: R40.2@6,70 6.5,69.5 v1(6.5,69.2)
  other v1: 32.6,62 33.3,62 32.6,62.6 33.3,62.6 33.3,63.2 32.597,63.216 32.6,63.8 33.3,63.8 26.8,70.6 27.5,70.6 28.2,70.6 12.1,72.7 12.9,72.7
VCC_MOTOR: C70.2 C71.2 C72.2 D7.K J1.3 R32.2 | length 7.6
  Top Layer w0.381: v1(46.4,5.9) 46.4,5.903 51.2,10.703 R32.2@51.2,11.5
VSYS: C16.2 C17.2 C18.2 C19.2 C20.2 C21.2 U4.25 | length 1.8
  Top Layer w0.25: U4.25@55.331,66.569 56.131,66.569 C21.2@56.831,65.869
  other v1: 56.3,60.3 56.3,61.2 56.3,62 56.3,62.8 57.3,63.2
XTAL1: C3.2 MD1.14 Y1.2 | length 5.7
  Bottom Layer w0.152: MD1.14@14.1,11.7 14.1,13.6 15.25,14.75 Y1.2@15.25,15.2 15.25,14.95 15.6,14.6 C3.2@16.6,14.6
pads on no net: D4.6 D4.7 D4.9 D4.10 D5.1 J2.21 J2.22 J4.6 J4.mh1 J4.mh2 J4.mh3 J5.mh1 J5.mh2 J5.mh3 J7.17 J7.18 J7.A2 J7.A3 J7.A8 J7.A10 J7.A11 J7.B2 J7.B3 J7.B8 J7.B10 J7.B11 J8.5 J8.6 J8.mh1 J8.mh2 J8.mh3 J9.G1 J9.G2 J9.G3 J9.G4 J9.G5 J9.G6 J9.G7 J9.G8 J9.G9 J9.G10 MD1.8 MD1.10 MD1.11 MD1.12 MD1.19 MD1.21 MD1.22 MD1.23 MD1.24 MD1.25 MD1.26 MD1.27 MD1.37 MD1.38 MD1.52 MD1.56 MD1.58 U3.8 U3.11 U4.6 U4.7 U4.12 U4.21 U5.2 U5.3 U5.4 U5.5 U6.1 U8.11 U8.12 U14.10 U14.11 U14.12 U14.14 U14.17 U14.20

## Polygon pours and split planes (outlines as drawn)
3V3_SD on Top Layer "NONET_L-01_P-001" (solid, remove dead copper, pour order 76): 14.5,32.75 14.5,35.5 16.5,35.5 16.5,35 15.25,33.75 15.25,32.75
GND on Top Layer "NONET_L-01_P-001" (solid, remove dead copper, pour order 69): 11.5,69.4 11.5,72.8 11.2,73.1 10.1,73.1 9.9,72.9 9.9,71 10.1,70.8 10.6,70.8 10.9,70.5 10.9,69.4
VBUS1 on Top Layer "NONET_L-01_P-001" (solid, remove dead copper, pour order 68): 11.9,69.4 11.9,70.4 11.9,70.8 11.8,70.9 11.8,72.9 12,73.1 13.1,73.1 13.3,72.9 13.3,69.7 13,69.4 11.9,69.4
GND on Top Layer "NONET_L-01_P-001" (solid, remove dead copper, pour order 67): 26.9,67.1 26.7,67.3 26.7,67.6 26.7,68.1 26.7,68.2 28.3,68.2 28.3,67.4 28,67.1
VBUS1 on Top Layer "NONET_L-01_P-001" (solid, remove dead copper, pour order 66): 26.5,70.7 26.8,71 28.2,71 28.5,70.7 28.5,69.8 26.5,69.8
GND on Top Layer "NONET_L-01_P-001" (solid, pour order 47): 32.2,60.3 32.2,61 31.9,61.3 31.1,61.3 31,61.2 31,60.8 31.5,60.3
GND on Top Layer "NONET_L-01_P-001" (solid, remove dead copper, pour order 38): 30.9,18.8 30.9,17.8 30.7,17.6 30.7,16.9 30.6,16.8 28.5,16.8 27.8,17.5 27.8,18.4 28.2,18.8
GND on Top Layer "NONET_L-01_P-001" (solid, remove dead copper, pour order 21): 52.5,45.85 55.8,45.85 56.5,45.15 59.8,45.15 60.2,45.55 62,45.55 62,47.4 59.95,47.4 59.3,46.75 56.7,46.75 56,47.45 52.5,47.45
GND on Top Layer "NONET_L-01_P-001" (solid, remove dead copper, pour order 9): 63.331,74.7 62.6,75.431 62.6,75.469 58.331,75.469 58.231,75.369 58.231,69.569 57.031,68.369 56.631,68.369 56.331,68.069 54.331,68.069 53.831,68.569 52.231,68.569 52.231,66.369 53.731,66.369 54.231,66.869 56.731,66.869 58.331,65.269 58.331,59.769 60.831,59.769 63.331,62.269
GND on Top Layer "NONET_L-01_P-001" (solid, remove dead copper, pour order 14): 54.231,64.169 54.231,63.369 53.831,62.969 53.831,61.269 53.431,60.869 53.431,58.969 52.731,58.969 52.231,59.469 52.231,62.669 53.731,64.169
GND on Top Layer "NONET_L-01_P-001" (solid, remove dead copper, pour order 13): 53.531,74.5 54,74.969 54,76.9 53.8,77.1 53,77.1 52.869,76.969 51.4,75.5 51.4,72.5 53.131,70.769 53.831,70.769 53.831,72.969 53.531,73.269
GND on Top Layer "NONET_L-01_P-001" (solid, remove dead copper, pour order 4): 38.5,33.3 33.6,33.3 33.2,33.7 33.2,35.5 29.3,35.5 28.3,34.5 25.5,34.5 25.5,30.7 38.5,30.7
GND on Top Layer "NONET_L-01_P-001" (solid, remove dead copper, pour order 2): 33.1,44.4 32.7,44 27.9,44 27.7,43.8 25.6,41.7 25.6,39.4 25.5,39.3 34.1,39.3 34.1,41.4 34.4,41.7 51.144,41.7 51.144,44.8 42.9,44.8 42.5,44.4 41.2,44.4
VBUS1 on Top Layer "NONET_L-01_P-001" (solid, pour order 53): 32.5,66 30.9,64.4 30.9,63.7 29.493,62.293 28.376,62.293 27.925,61.841 27.925,58.293 28.325,57.893 29.227,57.893 29.826,57.893 29.826,58.493 29.226,58.493 28.826,58.893 28.826,61.193 28.926,61.293 32.272,61.293 32.496,61.085 33.626,61.085 33.626,66
PPHV on Top Layer "NONET_L-01_P-001" (solid, pour order 52): 35.8,64.913 36.3,64.413 36.3,63.1 36.3,61.704 35.5,61.038 35.493,61.03 35.357,61.03 34.85,61.03 33.9,61.03 33.9,64.838 33.9,65 35.713,65
BQ_IN on Top Layer "NONET_L-01_P-001" (solid, pour order 51): 37.9,65.4 33.9,65.4 33.9,66.6 34.1,66.8 37.7,66.8 37.9,66.6
5V on Top Layer "NONET_L-01_P-001" (solid, pour order 50): 30.843,57.643 30.785,57.7 29.4,57.7 29.3,57.6 29.3,57.2 29.457,57.043 32.177,57.043 32.277,57.143 32.277,57.643
VBUS1 on Top Layer "NONET_L-01_P-001" (solid, pour order 49): 29.4,58.5 29.3,58.4 29.3,58 29.4,57.9 32.234,57.9 32.277,57.943 32.277,58.443 32.177,58.543 32.134,58.5
3V3 on Top Layer "NONET_L-01_P-001" (solid, pour order 48): 32.2,56.1 32.2,55.6 32.1,55.5 30.5,55.5 30.025,55.5 30.025,56.1
NetQ1_5 on Top Layer "NONET_L-01_P-001" (solid, remove dead copper, pour order 46): 11.5,48.2 8.7,48.2 8,47.5 8,41.1 8.6,40.5 11.2,40.5 11.2,42.3 10.3,43.2 10.3,45.5 10.8,46 11.5,46 11.5,48.1
GND_SNS on Top Layer "NONET_L-01_P-001" (solid, remove dead copper, pour order 45): 12.2,47.5 13,47.5 13.3,47.2 13.3,44.1 13.1,43.9 12.2,43.9
COUT on Top Layer "NONET_L-01_P-001" (solid, remove dead copper, pour order 44): 15.2,43.7 13.8,43.7 13.6,43.9 13.6,47.3 13.1,47.8 12.2,47.8 12.2,48.4 12.3,48.5 13.7,48.5 14.2,48 14.2,44.2 14.5,43.9 15.2,43.9
DOUT on Top Layer "NONET_L-01_P-001" (solid, remove dead copper, pour order 43): 14.7,42.4 15.2,42.9 15.2,43.4 12.6,43.4 12.2,43 12.2,42.4
BATT_GND on Top Layer "NONET_L-01_P-001" (solid, remove dead copper, pour order 42): 23.2,43.2 24.8,44.8 24.8,48 23.7,49.1 21.9,49.1 20.8,48 20.8,45.6 18.4,43.2 17.5,43.2 17.3,43.4 16.2,43.4 14.9,42.1 12.2,42.1 12.2,40.5 20.5,40.5
HEATER_P on Top Layer "NONET_L-01_P-001" (solid, remove dead copper, pour order 3): 24.8,35.2 24,35.2 23.7,35.5 23.7,38.5 23.8,38.6 35.7,38.6 35.7,37.3 28,37.3 27.6,36.9 27.6,36.4 30.8,36.4 30.8,36 27.3,36 27.3,35.2
H1_N on Top Layer "NONET_L-01_P-001" (solid, remove dead copper, pour order 39): 31.9,21.038 31.9,23 31.6,23.3 28.3,23.3 28.1,23.1 28.1,19.9 28.5,19.5 31.7,19.5 31.9,19.7
BQ_IN on Top Layer "NONET_L-01_P-001" (solid, remove dead copper, pour order 12): 57,76 57.1,76.1 57.6,76.1 57.7,76.2 57.7,76.6 57.2,77.1 54.3,77.1 54.2,77 54.2,76.6 54.5,76.3 54.5,76.2 54.5,74.788 54.031,74.319 54.031,71.669 54.331,71.369 54.331,69.069 54.931,69.069 54.931,69.969 56,71.038 56,75
NetL2_1 on Top Layer "NONET_L-01_P-001" (solid, remove dead copper, pour order 17): 58.6,44.85 58.6,44.15 59.7,43.05 59.7,40.05 58.1,40.05 58.1,44.05 58.2,44.15 58.2,44.85
NetL2_2 on Top Layer "NONET_L-01_P-001" (solid, remove dead copper, pour order 18): 57.5,44.175 57.6,44.075 57.6,40.075 56,40.075 56,43.075 57.3,44.375 57.3,44.875 57.5,44.875
3V3 on Top Layer "NONET_L-01_P-001" (solid, remove dead copper, pour order 19): 57,44.85 57,44.25 56.4,43.65 51.6,43.65 51.6,45.35 55.9,45.35 56.4,44.85
VBAT on Top Layer "NONET_L-01_P-001" (solid, remove dead copper, pour order 20): 60.1,43.05 60.1,42.05 62,42.05 62,44.95 60.1,44.95 60,44.85 58.9,44.85 58.9,44.25
NetC41_2 on Top Layer "NONET_L-01_P-001" (solid, remove dead copper, pour order 22): 57.8,47.15 57.8,49 59.5,49 59.5,47.45 59.2,47.15
PMID on Top Layer "NONET_L-01_P-001" (solid, remove dead copper, pour order 11): 57.931,75.369 57.8,75.5 56.962,75.5 56.209,74.747 56.209,70.647 55.356,69.794 55.356,68.369 56.431,68.369 57.931,69.869
VBAT on Top Layer "NONET_L-01_P-001" (solid, remove dead copper, pour order 10): 53.731,58.969 53.731,60.769 54.431,61.469 54.431,63.419 54.531,63.519 54.531,64.919 54.331,65.119 54.331,65.919 54.931,65.919 54.931,65.219 55.431,64.719 55.431,58.969
VSYS on Top Layer "NONET_L-01_P-001" (solid, remove dead copper, pour order 8): 55.781,60.119 56.131,59.769 58.031,59.769 58.031,64.969 56.831,66.169 56.531,66.169 56.131,66.569 55.831,66.569 55.781,66.619
NetC11_1 on Top Layer "NONET_L-01_P-001" (solid, remove dead copper, pour order 7): 62.281,64.919 59.681,64.919 58.731,65.869 58.731,66.619 62.281,66.619
NetC11_1 on Top Layer "NONET_L-01_P-001" (solid, remove dead copper, pour order 6): 53.407,66.069 54.531,66.069 54.631,66.169 54.631,67.099 53.407,67.099
NetC5_1 on Top Layer "NONET_L-01_P-001" (solid, remove dead copper, pour order 5): 62.325,68.969 58.725,68.969 58.725,69.969 59.425,70.669 62.325,70.669
VBAT on Top Layer "NONET_L-01_P-001" (solid, remove dead copper, pour order 1): 54.244,41.8 51.544,41.8 51.544,41.3 39.7,41.3 39.1,40.7 38.5,40.1 38.5,39.4 39.6,39.4 39.9,39.7 49.3,39.7 49.3,32.4 54.244,32.4
NetC30_2 on Top Layer "NONET_L-01_P-001" (solid, remove dead copper, pour order 0): 41.5,36.2 41.5,32.4 44.9,32.4 44.9,37.46 43.86,38.5 38.5,38.5 38.5,36.8 40.9,36.8
VBAT on Bottom Layer "NONET_L-01_P-001" (solid, remove dead copper, pour order 80): 16.5,47.25 15.583,48.167 14.679,48.167 14.367,48.479 14.367,49.806 14.56,50 15.75,50 15.75,51.5 15.25,52 14.5,52 13.25,50.75 13.25,48 15.5,45.75 16.25,45.75 16.5,46
3V3 on Bottom Layer "NONET_L-01_P-001" (solid, remove dead copper, pour order 79): 50.25,26.75 46.75,26.75 46,27.5 46,39.25 49.75,43 49.75,47.5 53,50.75 57.5,50.75 57.5,47.25 56.75,46.5 56.75,33.25
3V3_SD on Bottom Layer "NONET_L-01_P-001" (solid, remove dead copper, pour order 75): 16.25,34 16.25,35.5 15.345,35.5 15.345,34.5 14.942,34.5 14.75,34.308 14.75,32.75 16.75,30.75 21.75,30.75 22,31 24.5,31 24.75,31.25 24.75,32.5 23.75,33.5 21,33.5 20.25,32.75 17.5,32.75
GND on Bottom Layer "NONET_L-01_P-001" (solid, pour order 65): 32.6,58.9 35,58.9 35.1,58.8 35.1,56.4 34.9,56.2 32.7,56.2 32.5,56.4 32.5,58.8
GND on Bottom Layer "NONET_L-01_P-001" (solid, remove dead copper, pour order 40): 27.9,20.4 27.9,22.3 27.6,22.6 26.9,22.6 26.7,22.4 26.7,20.5 26.8,20.4
GND on Bottom Layer "NONET_L-01_P-001" (solid, remove dead copper, pour order 34): 58.2,13.1 58.2,14.8 57.5,15.5 53.6,15.5 53.3,15.2 53.3,13.3 53.5,13.1
GND on Bottom Layer "NONET_L-01_P-001" (solid, remove dead copper, pour order 33): 48.1,11.75 48.1,14.1 48.9,14.9 49,14.9 49.3,15.2 51.3,15.2 51.5,15 51.5,10.8 52.3,10.8 52.6,11.1 52.6,15.5 52.1,16 47.9,16 46.9,15 46.9,13.9 47.8,13 47.8,11.75
GND on Bottom Layer "NONET_L-01_P-001" (solid, remove dead copper, pour order 29): 43.3,10.4 42.9,10.8 42.9,11.6 42.1,11.6 42.1,10.8 41.7,10.4 40,10.4 38.9,9.3 38.9,7.3 39,7.2 45.6,7.2 46.7,7.2 47,7.5 47,8.6 47.6,9.2 47.6,9.9 46.6,9.9 46.6,10.4
GND on Bottom Layer "NONET_L-01_P-001" (solid, remove dead copper, pour order 25): 58.5,59.8 60.5,59.8 61.1,60.4 61.1,64.1 60.6,64.6 58.9,64.6 58.5,64.2
GND on Bottom Layer "NONET_L-01_P-001" (solid, remove dead copper, pour order 24): 53.5,74.5 54,75 54,77 53.8,77.2 53.1,77.2 51.4,75.5 51.4,72.6 52.9,72.6 53.5,73.2
DRAIN on Bottom Layer "NONET_L-01_P-001" (solid, pour order 64): 32.5,59.3 32.6,59.2 35,59.2 35.1,59.3 35.1,60.6 34.9,60.8 32.6,60.8 32.5,60.7
VBUS1 on Bottom Layer "NONET_L-01_P-001" (solid, pour order 63): 33.6,64.113 33.325,64.387 32.525,64.387 32.225,64.087 32.225,61.862 32.6,61.487 33.6,61.487
PPHV on Bottom Layer "NONET_L-01_P-001" (solid, pour order 62): 36.3,61.1 34.5,61.1 33.9,61.7 33.9,64.5 34.3,64.9 36.3,64.9
BATT_GND on Bottom Layer "NONET_L-01_P-001" (solid, remove dead copper, pour order 41): 27.85,49.1 27.55,48.8 21.7,48.8 20.9,48 20.9,44.2 21.3,43.8 27.3,43.8 29.1,45.6 39.1,45.6 41.2,43.5 43.2,43.5 44,44.3 44,48 42.9,49.1
HEATER_P on Bottom Layer "NONET_L-01_P-001" (solid, remove dead copper, pour order 37): 32.2,22.9 32.4,23.1 35.7,23.1 35.9,22.9 35.9,20.4 32.2,20.4
H1_N on Bottom Layer "NONET_L-01_P-001" (solid, remove dead copper, pour order 36): 31.9,20.4 31.9,22.9 31.7,23.1 28.4,23.1 28.2,22.9 28.2,20.4
VBAT on Bottom Layer "NONET_L-01_P-001" (solid, remove dead copper, pour order 32): 55.6,4.1 55.6,10 54.9,10.7 54.9,12.4 59.7,12.4 60.1,12.4 60.2,12.3 60.2,8.7 58,6.5 58,4.1
VCC_MOTOR on Bottom Layer "NONET_L-01_P-001" (solid, remove dead copper, pour order 31): 49.4,2.3 49,1.9 33.1,1.9 31.1,3.9 31.1,7 31.3,7.2 33.2,7.2 33.4,7 33.4,5.4 34.2,4.6 38,4.6 39.8,6.4 46.6,6.4 49.4,3.6
NetD7_A on Bottom Layer "NONET_L-01_P-001" (solid, remove dead copper, pour order 30): 48.4,6.8 51.1,4.1 53.4,4.1 53.4,6.9 53.4,10.2 53.2,10.4 48.8,10.4 48.8,9.9 47.8,9.9 47.8,6.8
BQ_IN on Bottom Layer "NONET_L-01_P-001" (solid, remove dead copper, pour order 23): 54.2,76.6 54.5,76.3 54.5,74.8 54,74.3 54,73.4 55.3,73.4 55.9,74 55.9,74.9 57.1,76.1 57.6,76.1 57.7,76.2 57.7,76.7 57.3,77.1 54.3,77.1 54.2,77
VSYS on Bottom Layer "NONET_L-01_P-001" (solid, remove dead copper, pour order 26): 56.2,59.8 55.9,60.1 55.9,63.2 56.2,63.5 57.8,63.5 57.8,59.8
NetC5_1 on Bottom Layer "NONET_L-01_P-001" (solid, remove dead copper, pour order 16): 53.437,67.735 59.137,67.735 60.037,68.635 60.037,70.135 59.937,70.235 57.837,70.235 57.237,69.635 54.237,69.635 54.237,69.035 54.037,68.835 53.537,68.835 53.437,68.735
NetC11_1 on Bottom Layer "NONET_L-01_P-001" (solid, remove dead copper, pour order 15): 53.437,66.035 53.437,67.135 59.237,67.135 60.037,66.335 60.037,65.135 59.837,64.935 58.537,64.935 58.137,65.335 54.737,65.335 54.037,66.035
GND on Layer 2 "NONET_L-01_P-001" (solid, remove dead copper, pour order 35): 6.679,-2.8 6.679,34.5 -1.878,34.5 -2.1,81 -2,80.9 67.5,80.9 67.5,-2.8
5V on Layer 3 "NONET_L-01_P-001" (solid, remove dead copper, pour order 82): 15.5,37.5 11.25,41.75 9.5,41.75 5,46.25 5,64.75 25.75,64.75 25.75,52.75 29.5,52.75 29.5,56.75 32,56.75 32,57.5 31.75,57.75 29,57.75 29,68.25 5.5,68.25 5.5,71.537 9.25,71.537 9.25,79 -1,79 -1,33 5.25,33 5.5,33.25 6.75,32 6.75,-1 22.5,-1 22.5,9.25 19.5,9.25 19.5,6.25 13.5,6.25 13.5,11.5 15.5,13.5
VBAT on Layer 3 "NONET_L-01_P-001" (solid, remove dead copper, pour order 73): 15.25,45 17,43.25 19.75,43.25 22,41 47.75,41 47.75,8.75 66.25,8.75 66.25,63.75 45,63.75 45,51.75 39,51.75 39,47.25 22.077,47.25 22.077,46.75 15.25,46.75
PD_LDO_3V3 on Layer 3 "NONET_L-01_P-001" (solid, remove dead copper, pour order 81): 13,64.25 19.75,64.25 19.75,52.25 29.25,52.25 29.25,50 13,50
VBUS1 on Layer 3 "NONET_L-01_P-001" (solid, remove dead copper, pour order 78): 34.75,63.75 39,63.75 39,56.75 32.5,56.75 32.5,58 29.5,58 29.5,68.75 6,68.75 6,71 9.75,71 9.75,79.25 34.75,79.25
BQ_IN on Layer 3 "NONET_L-01_P-001" (solid, remove dead copper, pour order 77): 35.25,64.25 35.25,79 66.25,79 66.25,64.25
3V3 on Layer 3 "NONET_L-01_P-001" (solid, remove dead copper, pour order 74): 14.75,44.75 16.75,42.75 19.5,42.75 21.75,40.5 47.25,40.5 47.25,8.25 66.25,8.25 66.25,-1.25 23,-1.25 23,9.75 19,9.75 19,7 14.25,7 14.25,11.75 16,13.5 16,37.75 11.5,42.25 9.75,42.25 5.5,46.5 5.5,64.25 12.5,64.25 12.5,49.5 30,49.5 30,56.25 38.417,56.25 38.417,47.75 21.6,47.75 21.6,47.25 14.75,47.25
HEATER_P on Layer 3 "NONET_L-01_P-001" (solid, remove dead copper, pour order 72): 32,21.5 32,25 29.5,27.5 29.5,33.25 28.75,34 24.5,34 23.5,35 23.5,38.75 32.5,38.75 32.5,29.75 36.25,26 36.25,21.5

## Other copper
Top Layer:
  text "PRIMARY SIDE - LAYER 1" at 2.58,-25.391 h2.54
Layer 2:
  text "INNER LAYER 2" at 2.542,-25.449 h2.54
Layer 3:
  text "INNER LAYER 3" at 2.642,-25.449 h2.54
Bottom Layer:
  text "SECONDARY SIDE - LAYER 4" at 2.58,-25.391 h2.54

## Silkscreen, mask and mechanical layers (free items; w line width, h text height)
Top Silk Screen:
  lines w0.15: 33.2,34.4 33.6,34.8
  text "GND" at 9.25,4.05 h1
  text "PRIMARY SIDE SILK SCREEN" at 2.836,-25.518 h2.54
Bottom Silk Screen:
  lines w0.15: 18.3,13.3 18.3,16.9 ; 21,13 21,15.1 21,15.3 21.4,15.7
  text "GHL-1-21002  Rev A" at 53.9,33.6 h1.5
  text "SECONDARY SIDE SILK SCREEN" at 2.582,-25.518 h2.54
Top Paste:
  text "PRIMARY SIDE SOLDER PASTE" at 2.836,-25.518 h2.54
Bottom Paste:
  text "SECONDARY SIDE SOLDER PASTE" at 2.642,-25.449 h2.54
Top Solder Mask:
  text "PRIMARY SIDE SOLDER MASK" at 3.09,-25.518 h2.54
Bottom Solder Mask:
  text "SECONDARY SIDE SOLDER MASK" at 2.582,-25.518 h2.54
Mechanical 1 - DXF Bottomside:
  drawing of 3143 lines, arcs and shapes, not listed
Title_Block:
  text "ODIC, INC." at 2.816,-10.39 h2.54
  text "GHL NAATOS Sample Prep Main Board" at 2.542,-15.103 h2.54
  text "263-03-001  REV A" at 2.58,-20.311 h2.54
Board_Outline:
  pour cut-out: 38.417,51.562 38.417,65.151 cw(c38.925,65.151) 38.925,65.659 45.529,65.659 cw(c45.529,65.151) 46.037,65.151 46.037,51.562 cw(c45.529,51.562) 45.529,51.054 38.925,51.054 cw(c38.925,51.562)
  pour cut-out: 19.113,51.562 19.113,65.151 cw(c19.621,65.151) 19.621,65.659 26.225,65.659 cw(c26.225,65.151) 26.733,65.151 26.733,51.562 cw(c26.225,51.562) 26.225,51.054 19.621,51.054 cw(c19.621,51.562)
  pour cut-out: 38.925,51.054 cw(c38.925,51.562) 38.417,51.562 38.417,65.151 cw(c38.925,65.151) 38.925,65.659 45.529,65.659 cw(c45.529,65.151) 46.037,65.151 46.037,51.562 cw(c45.529,51.562) 45.529,51.054
  lines w0.013: 55.626,38.1 55.626,16.764 ccw(c56.134,16.764) 56.134,16.256 59.309,16.256 cw(c59.309,10.414) 65.151,10.414 65.151,5.842 cw(c59.309,5.842) 59.309,0 5.842,0 cw(c5.842,5.842) 0,5.842 0,10.414 cw(c5.842,10.414) 5.842,16.256 9.017,16.256 ccw(c9.017,16.764) 9.525,16.764 9.525,38.1 ccw(c9.017,38.1) 9.017,38.608 6.604,38.608 cw(c6.604,45.212) 0,45.212 0,71.501 cw(c6.604,71.501) 6.604,78.105 58.547,78.105 cw(c58.547,71.501) 65.151,71.501 65.151,45.212 cw(c58.547,45.212) 58.547,38.608 56.134,38.608 ; 55.627,38.1 cw(c56.135,38.1) 56.135,38.608
Mechanical 9 - Housing DXF:
  drawing of 158 lines, arcs and shapes, not listed
Mechanical 13 -DXF Topside:
  drawing of 224 lines, arcs and shapes, not listed

## Text inside footprints (layer, text, board x,y; h text height)
J7: Bottom Assembly "PCB EDGE" at 38.12,77.4 h0.41 r180
U13: Top Silk Screen "A" at 23.625,32.65 h0.8 r270; Top Silk Screen "1" at 24.925,32.15 h0.8 r180; Top Assembly "1" at 24.716,31.989 h0.64 r180; Top Assembly "2" at 24.843,31.1 h0.64 r180; Top Assembly "A" at 23.7,32.243 h0.64 r270; Top Assembly "B" at 22.811,32.243 h0.64 r270
U15: Top Silk Screen "A" at 43.6,20.4 h0.9 r270; Top Silk Screen "1" at 44.7,19 h0.9; Top Assembly "1" at 44.816,19.589 h0.64 r180; Top Assembly "2" at 44.943,18.7 h0.64 r180; Top Assembly "A" at 43.8,19.843 h0.64 r270; Top Assembly "B" at 42.911,19.843 h0.64 r270
U17: Top Silk Screen "A" at 20.875,6.35 h0.8 r90; Top Silk Screen "1" at 19.575,6.85 h0.8; Top Assembly "1" at 19.784,7.011 h0.64; Top Assembly "2" at 19.657,7.9 h0.64; Top Assembly "A" at 20.8,6.757 h0.64 r90; Top Assembly "B" at 21.689,6.757 h0.64 r90